# KiCad board EngineController.kicad_pcb (continued)
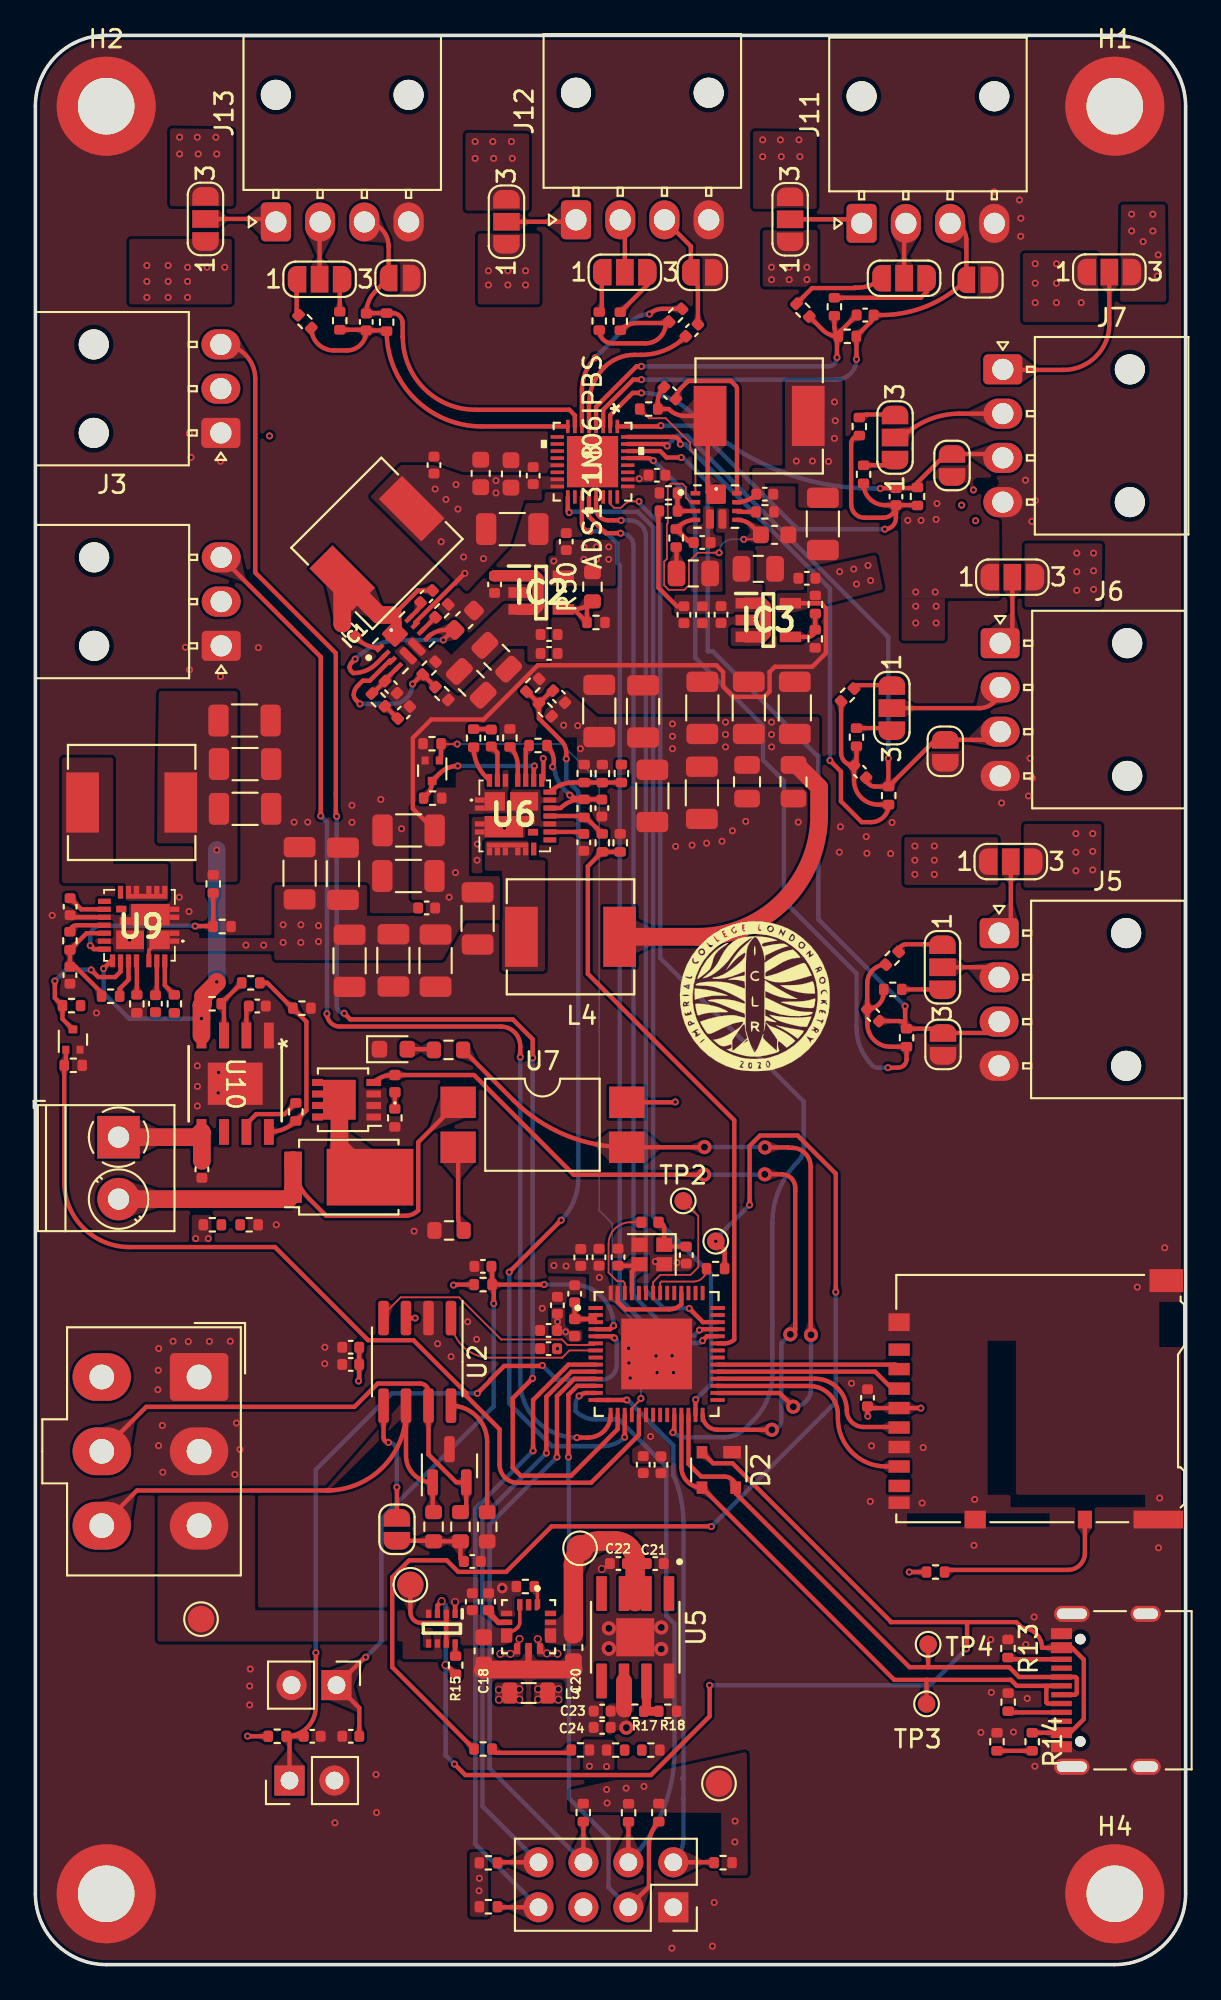
[diagram p0: board, top side]
## Routing (per net, layer and track width the routed paths; a pad name or vN(x,y) marks a point on that pad's centre or on a via; arc(x,y) is an arc through that point) (continued)
/pressure_sensor/AIN1N: length 37.3
  Top w0.25: R35.2 47.44,66.56 arc(47.09,66.71) C50.2 ; R35.2 50.86,69.2 JP6.2 54.06,69.2 J6.3 ; R35.2 arc(48.21,66.57) 48.2,66.58 v1(48.2,68.15) ; U8.31 35.68,85.92 arc(35.73,85.9) 35.75,85.85
  Bottom w0.25: v1(48.2,68.15) 48.2,75.01 36.83,86.38 36.25,86.38 35.75,85.88 35.75,85.85
  vias: v1(35.7,85.8)
/pressure_sensor/AIN1P: length 39.9
  Top w0.25: C50.1 46.26,66.91 arc(46.66,65.94) 47.63,65.54 R35.1 arc(47.93,64.84) 47.23,64.55 46.7,64.55 45.52,65.73 45.52,67.41 v1(44.9,68.03) ; C50.1 arc(45.74,67.95) 45.53,68.47 R34.2 ; C50.1 arc(46.36,67.78) 46.4,67.88 R33.2 ; U8.32 36.03,86.32 arc(36.33,86.19) v1(36.45,85.9)
  Bottom w0.25: v1(36.45,85.9) 36.74,85.9 44.9,77.74 v1(44.9,68.03)
/pressure_sensor/AIN2N: length 25.9
  Top w0.25: U8.2 32.49,87.54 33.75,88.8 v1(34.25,88.8) ; v1(47.75,83.4) arc(47.77,83.41) 47.8,83.42 C51.2 49.81,83.42 arc(49.84,83.43) R38.2 49.85,83.74 51.46,85.35 JP9.2 54.45,85.35 arc(54.61,85.29) J7.3
  Bottom w0.25: v1(34.25,88.8) 34.25,88.8 arc(35.82,88.49) 37.15,87.6 arc(41.8,84.49) 47.29,83.4 v1(47.75,83.4)
/pressure_sensor/AIN2P: length 30.6
  Top w0.25: U8.1 35.31,86.91 arc(35.34,86.92) v1(35.35,86.95) ; C51.1 49.83,82.46 arc(49.84,82.45) R38.1 ; C51.1 48.63,81.73 arc(48.45,81.28) v1(48,81.1) ; C51.1 48.01,82.46 arc(47.16,82.82) 46.8,83.67 R37.2 ; C51.1 arc(48.42,81.96) 47.92,81.75 46.85,81.75 arc(46.32,81.97) 46.1,82.5 46.1,85.93 arc(46.23,86.26) R36.2
  Bottom w0.25: v1(35.35,86.95) 37.22,86.95 43.07,81.1 v1(48,81.1)
/pressure_sensor/AIN3N: length 29
  Top w0.25: v1(46.4,90.7) 46.4,91.99 arc(46.4,92) R41.2 47.22,92.82 arc(47.33,93) C53.2 47.8,93.2 arc(50.4,93.72) JP12.2 52.61,97.46 arc(52.34,98.11) J11.3 ; U8.3 32.09,87.85 33.78,89.55 v1(34.25,89.55)
  Bottom w0.25: v1(34.25,89.55) 45.25,89.55 arc(46.06,89.89) v1(46.4,90.7)
/pressure_sensor/AIN3P: length 22.1
  Top w0.25: U8.4 31.69,88.02 33.97,90.3 v1(34.25,90.3) ; R40.2 44.48,92.37 arc(44.89,92.09) R41.1 ; v1(45.3,90.8) 45.3,91.93 arc(45.32,91.98) R41.1 ; R39.2 45.15,92.53 arc(45.21,92.24) R41.1 ; C53.1 45.48,92.27 arc(45.4,92.15) R41.1
  Bottom w0.25: v1(34.25,90.3) 44.8,90.3 arc(45.15,90.45) v1(45.3,90.8)
/pressure_sensor/AIN4N: length 16.6
  Top w0.25: U8.6 30.88,88.95 arc(31.08,89.95) v1(31.65,90.8) ; R44.2 35.43,93.55 arc(35.03,93.47) v1(34.7,93.25) ; C54.2 37.44,94.64 arc(37.34,95.17) JP15.2 37.04,97.09 J12.3
  Bottom w0.25: v1(31.65,90.8) 33.68,92.83 arc(34.15,93.14) v1(34.7,93.25)
/pressure_sensor/AIN4P: length 16.5
  Top w0.25: 31.86,92.22 R43.2 arc(32.08,91.82) 32.61,91.6 34.48,91.6 arc(35.29,91.94) 35.63,92.75 ; U8.5 31.28,88.16 arc(31.51,89.29) 32.15,90.25 arc(32.93,90.77) 33.84,90.95 34.22,90.95 arc(35.6,91.22) C54.1 ; 35.63,92.75 34.04,92.75 arc(33.5,92.64) R42.2 ; 35.63,92.75 arc(35.73,92.77) R44.1
/pressure_sensor/AIN5N: length 22.4
  Top w0.25: U8.7 30.48,87.54 30.17,87.85 24.87,87.85 arc(21.97,89.05) 20.77,91.95 20.75,91.95 20.75,92.75 arc(20.59,93.15) 20.19,93.31 R54.2 18.72,93.31 arc(18.71,93.3) C55.2 arc(18.84,93.97) 19.22,94.55 JP18.2 19.96,97.09 arc(19.56,98.06) J13.3
/pressure_sensor/AIN5P: length 20.5
  Top w0.25: R52.2 18.66,92.37 arc(18.69,92.36) C55.1 ; C55.1 19.81,92.33 arc(19.84,92.32) R54.1 arc(21.43,88.48) 25.23,86.91 U8.8 ; C55.1 18.7,92.3 arc(18.38,91.52) 17.6,91.2 16.86,91.2 arc(15.96,91.57) R53.2
/Pyro/BOOT: length 2
  Top w0.25: U9.23 6.86,54.85 C91.1
/Pyro/BUCKP_EN: length 51.3
  Top w0.25: Q3.1 1.72,50.9 arc(1.69,50.84) R72.2 1.63,44.23 arc(2.71,41.62) 5.32,40.54 13.54,40.54 18.8,35.28 21.36,35.28 24.35,32.29 24.35,32.13 26.23,30.25 26.23,28.25 arc(26.53,27.53) 27.26,27.23 31.4,27.23 34.1,29.93 34.1,31.06
/Pyro/Cont1: length 40.9
  Top w0.25: R68.1 27.02,48.83 arc(29.96,46.87) U7.15 37.79,46.18 arc(37.8,46.18) v4(37.81,46.19) ; 38.56,32.29 42.06,32.29 v4(42.83,31.52) ; v4(41.23,46.17) 42.54,46.17 arc(42.57,46.16) 42.59,46.15 42.75,46.15 arc(43.5,45.84) 43.81,45.09 43.81,35.6 arc(43.82,35.59) v4(43.83,35.58)
  Bottom w0.25: v4(37.81,46.19) 41.18,46.19 arc(41.21,46.18) v4(41.23,46.17) ; v4(43.83,35.58) 43.83,32.52 arc(43.54,31.81) v4(42.83,31.52)
/Pyro/EFuse_In: length 19
  Top w0.25: U9.18 4.29,56.71 v1(3.85,56.28)
  Top w1: v1(10.25,55.53) 10.25,55.47 9.48,54.7 R76.2 9.38,54.2 v1(9.38,53.45) U10.4
  Bottom w0.25: v1(3.85,56.28) 3.85,54.9 5.3,53.45 v1(9.38,53.45)
  Bottom w1: v1(10.25,55.53) v1(10.25,62.98)
/Pyro/EN: length 8
  Top w0.25: 4.81,56.71 4.81,56.1 4.51,55.8 3.55,55.8 v1(3.15,56.2) ; Q3.3 1.53,53.43 1.53,54.18 1.1,54.62 v1(1.1,55.58)
  Bottom w0.25: v1(3.15,56.2) 1.72,56.2 v1(1.1,55.58)
/Pyro/FB: length 10.6
  Top w0.25: 3.9,57.38 3.3,57.38 v1(3.1,57.58) ; v1(9.02,58.67) 10.01,58.67 arc(10.03,58.67) R67.2 arc(10.05,58.65) 10.05,58.66 R58.1
  Bottom w0.25: v1(3.1,57.58) 3.1,58.1 arc(3.28,58.52) 3.7,58.7 9,58.7 arc(9.02,58.69) v1(9.02,58.67)
/Pyro/Nuke 1: length 45.4
  Top w0.25: v4(41.62,30.22) 38.54,30.22 arc(37.95,30.46) 37.7,31.06 ; v4(41.22,44.65) 42.19,44.65 arc(42.72,44.43) 42.94,43.9 42.94,35.89 arc(42.86,35.69) v4(42.66,35.61) ; v4(37.79,44.63) 30.42,44.63 24.79,50.26 Firing1.2 20.13,50.26 arc(19.59,50.15) Q2.4
  Bottom w0.25: v4(42.66,35.61) 42.16,35.11 42.16,30.76 arc(42,30.38) v4(41.62,30.22) ; v4(37.79,44.63) 41.17,44.63 arc(41.2,44.64) v4(41.22,44.65)
/Pyro/PGOOD: length 2.2
  Top w0.25: 3.9,58.73 2.32,58.73 arc(2.06,58.62) R57.2
/Pyro/PHASE: length 2.1
  Top w0.25: 7.31,56.71 7.31,55.33 R69.1
/Pyro/PyroV: length 6.5
  Top w1: J10.1 9.09,46.75 U10.5 9.41,47.02 C93.2
/RXD: length 7.6
  Top w0.1: 34.91,37.95 34.91,38.56 35.32,38.97 37.03,38.97 37.46,39.4 37.46,42.3 TP2.1
/Servo1PWM: length 85
  Top w0.25: U1.16 32.91,30.26 30.27,27.62 27.42,27.62 26.97,28.08 26.97,32 v1(28.1,33.12) ; v1(28.1,51.23) 28.1,52.28 26.98,53.4 17.8,53.4 v1(17.45,53.75) ; v1(17.02,64.88) arc(16.99,64.89) 16.97,64.92 16.97,74.1 12.42,78.65 12.42,89.59 arc(11.86,90.97) J3.3
  Bottom w0.25: v1(28.1,51.23) v1(28.1,33.12) ; v1(17.02,64.88) 17.02,54.17 arc(17.15,53.87) v1(17.45,53.75)
/Servo2PWM: length 66.8
  Top w0.25: v1(30.6,29.78) 31.22,29.78 arc(32.13,30.15) U1.15 ; J4.3 16.12,73.89 v1(16.12,64.9) ; v1(27.4,51.28) 27.4,51.9 arc(27.08,52.68) 26.3,53 17.2,53 arc(16.69,53.21) v1(16.47,53.73)
  Bottom w0.25: v1(16.12,64.9) 16.48,64.55 16.48,53.73 arc(16.48,53.73) v1(16.47,53.73) ; v1(27.4,51.28) 27.4,32.98 arc(28.34,30.71) v1(30.6,29.78)
/ServoV_LOG: length 52.9
  Top w0.25: v1(29.71,42.06) v1(26.77,39.12) ; R28.1 27.78,71.92 R29.2 ; R28.1 29.18,71.98 C46.2 ; R28.1 28.45,70.41 29.71,69.15 arc(29.92,68.83) 30,68.45 v1(30,68.12) ; U1.17 33.3,29.81 v1(33.3,29.8)
  Bottom w0.25: v1(26.77,39.12) 26.77,31.71 29.18,29.3 32.08,29.3 arc(32.74,29.43) v1(33.3,29.8) ; v1(30,68.12) 30,66.95 30.68,66.27 30.68,44.4 arc(30.43,43.13) v1(29.71,42.06)
/TXD: length 68.2
  Top w0.25: v1(38.45,40.87) 38.95,40.37 R5.1 ; v1(38.2,24.75) 38.19,24.76 29.17,24.76 26.6,22.19 23.89,22.19 23.24,22.84 21.12,22.84 20.16,21.88 20.16,16.81 TXLED1.1 ; v1(45.23,38) 45.23,44.69 43.07,46.84 40.95,46.84 40.36,46.25 v1(40.36,42.92)
  Bottom w0.25: v1(40.36,42.92) 38.45,41.01 v1(38.45,40.87) ; v1(45.23,38) 45.23,31.78 v1(38.2,24.75)
Net-(C6-Pad1): length 3.5
  Top w0.25: C6.1 L1.2 ; L1.2 31.48,36.48 arc(31.61,36.42) U1.3 ; L1.2 31.44,36.48 arc(31.59,36.54) U1.2
Net-(C13-Pad1): length 2.8
  Top w0.25: C13.1 35.63,40.57 arc(35.56,40.6) Y1.1 35.53,41.62 arc(35.44,41.85) L2.2
Net-(C35-Pad2): length 1
  Top w0.25: R22.2 25.7,69.81 arc(25.74,69.8) C35.2
Net-(C58-Pad1): length 1
  Top w0.25: C58.1 19.81,71.07 arc(19.78,71.09) R45.2
Net-(C78-Pad1): length 1.5
  Top w0.25: C78.1 36.23,80.04 arc(36.22,80.07) R84.2
Net-(D4-K): length 5.1
  Top w1: 18.91,44.49 17.18,46.22 Q2.5
Net-(D6-A): length 1.5
  Top w0.25: D6.2 22.42,51.72 arc(22.48,51.71) 22.52,51.68
Net-(Firing1-K): length 0.9
  Top w0.25: R65.1 20.31,49.27 arc(20.31,49.28) Firing1.1
Net-(IC1-BOOT): length 1.1
  Top w0.25: IC1.10 21.57,76.51 arc(21.71,76.72) C62.1
Net-(IC1-COMP): length 2.1
  Top w0.25: IC1.4 19.8,72.61 arc(19.77,72.57) C57.1 19.09,71.85 arc(19.06,71.82) R45.1
Net-(IC1-EN): length 11
  Top w0.25: v1(18.07,73.76) 17.85,73.54 arc(17.78,73.43) 17.75,73.3 arc(17.77,73.19) 17.83,73.1 17.96,72.97 arc(18.68,73.11) 19.29,73.52 IC1.2 ; v1(23.05,74.84) 23.57,75.36 arc(23.63,75.4) C56.1 23.19,75.41 arc(22.64,75.3) IC1.7
  Bottom w0.25: v1(23.05,74.84) 20.68,74.84 arc(19.27,74.56) v1(18.07,73.76)
Net-(IC1-ILIM): length 1.1
  Top w0.25: R48.2 21.83,75.35 arc(21.83,75.35) IC1.8
Net-(IC1-SW): length 10.7
  Top w0.25: C62.2 21.61,77.64 20.56,76.59 20.56,75.83 20.59,75.8 20.59,75.2 20.31,74.92 19.91,74.92
  Top w1: 20.14,76.25 19.42,76.25 L5.2 17.34,75.76 arc(17.34,75.76) R51.2
Net-(IC2-ADJ/NC): length 4.7
  Top w0.25: 30.43,76.57 R49.2 31.17,76.71 31.48,77.03 arc(30.98,76.69) 30.38,76.57 IC2.4 30.43,76.57
Net-(IC3-ADJ/NC): length 2.6
  Top w0.25: IC3.4 43.67,75.02 arc(43.95,75.13) R55.2 44.07,76.33 arc(44.07,76.33) R56.1
Net-(IC4-BOOT): length 10.2
  Top w0.25: IC4.10 39.65,89.03 arc(39.63,89.12) 39.58,89.2 39.3,89.47 36.88,89.47 36.44,89.03 arc(36.26,88.76) 36.2,88.45
Net-(IC4-COMP): length 2.5
  Top w0.25: IC4.4 arc(36.77,81.52) 36.32,81.22 R84.1 36.81,80.51 arc(36.99,80.39) C77.1
Net-(IC4-EN): length 17.5
  Top w0.1: IC4.2 37.02,82.63 36.75,82.9 36.75,83.48 36.56,83.67 35.89,83.67 35.73,83.51 35.73,81.43 35.69,81.39 35.69,79.43 35.53,79.27 35.53,77.93 35.79,77.68 36.67,77.68 36.93,77.93 36.93,79.27 37.43,79.77 v1(38.64,79.77) ; v1(40.03,80.53) 40.75,80.53 arc(40.93,80.6) C76.1
  Top w0.25: C76.1 40.51,81.27 arc(40.11,81.54) IC4.7
  Bottom w0.1: v1(40.03,80.53) 39.4,80.53 arc(38.86,80.31) v1(38.64,79.77)
Net-(IC4-ILIM): length 1.1
  Top w0.25: R87.2 39.76,82.08 arc(39.7,82.09) IC4.8
Net-(IC4-SW): length 9.4
  Top w0.25: 38.47,82.9 38.28,82.9 37.99,83.18 37.99,87.37 L6.2 36.73,87.5 arc(36.22,87.6) 35.79,87.89 R88.2 35.17,88.28 arc(35.26,88.74) C80.2
Net-(J2-CC1): length 3.1
  Top w0.25: J2.A5 55.04,14.25 arc(54.99,14.27) R12.1
Net-(J2-CC2): length 3.1
  Top w0.25: J2.B5 55.06,17.25 arc(54.99,17.28) R13.2
Net-(J10-Pin_2): length 28
  Top w0.25: U7.1 21.63,46.47 21.63,42.62 arc(21.3,42.39) 20.9,42.31 16.43,42.31 15.47,43.27 arc(14.8,44.28) D4.2
  Top w1: D4.2 D4.1 14.29,43.25 J10.2
Net-(JP1-B): length 4.9
  Top w0.25: JP1.2 22.47,23.95 arc(22.49,23.94) R11.1 R10.2 24.02,22.97 arc(24.08,22.83) C16.1
Net-(JP2-A): length 2.7
  Top w0.25: JP2.1 49.21,57.65 arc(48.91,57.52) R31.1
Net-(JP2-B): length 2.3
  Top w0.25: R30.1 51.21,55.1 arc(51.25,55.09) JP2.3
Net-(JP2-C): length 3.5
  Top w0.25: JP2.2 53.89,56.35 arc(54.29,56.18) J5.2
Net-(JP4-C): length 4.4
  Top w0.25: JP4.2 55.12,58.94 arc(54.93,58.47) J5.1
Net-(JP5-A): length 2.3
  Top w0.25: JP5.1 46.45,72.29 arc(46.31,72.23) R34.1
Net-(JP5-B): length 2.1
  Top w0.25: R33.1 48.23,69.86 arc(48.35,69.81) JP5.3
Net-(JP5-C): length 6.8
  Top w0.25: JP5.2 53.35,70.99 arc(54.18,71.33) J6.2
Net-(JP7-C): length 4.1
  Top w0.25: JP7.2 55.21,75.35 arc(55.01,74.86) J6.1
Net-(JP8-A): length 1.9
  Top w0.25: R37.1 48.31,84.71 arc(48.5,84.79) JP8.1
Net-(JP8-B): length 2.1
  Top w0.25: JP8.3 46.97,87.58 arc(46.75,87.54) R36.1
Net-(JP8-C): length 6.5
  Top w0.25: J7.2 52.23,87.63 arc(50.46,87.28) 48.97,86.28 JP8.2
Net-(JP10-C): length 10.5
  Top w0.25: JP10.2 60.69,92.69 arc(59.93,90.86) 58.1,90.1 54.7,90.1 arc(54.68,90.11) J7.1
Net-(JP11-A): length 5.3
  Top w0.25: R40.1 43.89,94.72 46.3,94.72 46.3,94.75 46.51,94.75 arc(47.2,94.89) JP11.1
Net-(JP11-B): length 6.1
  Top w0.25: R39.1 50.04,94.18 50.39,94.53 JP11.3
Net-(JP11-C): length 3.2
  Top w0.25: JP11.2 49.09,98.28 arc(49.12,98.35) J11.2
Net-(JP13-C): length 4.1
  Top w0.25: JP13.2 46.46,98.61 J11.1
Net-(JP14-A): length 2.3
  Top w0.25: JP14.1 32.01,93.73 arc(31.97,93.54) R43.1
Net-(JP14-B): length 2.9
  Top w0.25: R42.1 34.61,94.92 JP14.3
Net-(JP14-C): length 3.1
  Top w0.25: JP14.2 33.31,98.32 J12.2
Net-(JP16-C): length 4
  Top w0.25: JP16.2 30.44,98.47 arc(30.52,98.5) J12.1
Net-(JP17-A): length 2.1
  Top w0.25: JP17.1 14.76,93.45 arc(14.79,93.31) R53.1
Net-(JP17-B): length 1.9
  Top w0.25: R52.1 17.2,94.83 arc(17.24,95.04) 17.36,95.22
Net-(JP17-C): length 3.3
  Top w0.25: JP17.2 16.06,98.43 arc(16.07,98.45) J13.2
Net-(JP19-C): length 4.1
  Top w0.25: JP19.2 13.42,98.63 arc(13.54,98.58) J13.1
Net-(R70-Pad1): length 4.8
  Top w0.25: U7.2 23.89,42.23 arc(23.97,41.82) R70.1
Net-(TXLED1-A): length 4.6
  Top w0.25: 25.81,12.18 26.02,11.97 30.12,11.97 R2.2
Net-(U1-U0TXD/PROG/GPIO43): length 3.6
  Top w0.1: 35.3,37.95 35.3,38.52 35.38,38.59 37.2,38.59 arc(37.71,38.81) R5.2
Net-(U1-XTAL_N): length 3.1
  Top w0.25: 33.7,37.95 33.7,39.14 Y1.3 arc(34.11,39.51) 34.05,39.49 C12.1
Net-(U1-XTAL_P): length 5.9
  Top w0.1: L2.1 33.62,41.94 arc(32.75,41.58) 32.39,40.71 32.39,39.1 32.87,38.62 33.2,38.62 33.3,38.51 33.3,37.95
Net-(U2-Rs): length 7.2
  Top w0.25: R9.1 25.53,29.53 arc(24.93,30.98) U2.8
Net-(U3-ST): length 0.8
  Top w0.25: 23.72,18.23 23.72,17.46 R15.2
Net-(U6-_MODE_1): length 2
  Top w0.25: U6.21 27.26,67.72 arc(27.14,68.3) R26.1
Net-(U6-MODE_2): length 2
  Top w0.25: R25.1 27.71,68.7 U6.20
Net-(U6-V_DRV): length 2
  Top w0.25: U6.12 30.88,64 C26.2
Net-(U9-_MODE_1): length 1.9
  Top w0.25: R74.1 5.73,56.69 U9.21
Net-(U9-MODE_2): length 2.2
  Top w0.25: R73.1 4.76,55.14 5.26,55.64 U9.20
Net-(U9-V_DRV): length 2.2
  Top w0.25: C70.2 2.59,59.62 3.9,59.62
Net-(U10-dVdt): length 1.7
  Top w0.25: C92.2 11.92,54.03 U10.2
Net-(U10-EN/UVLO): length 3.5
  Top w0.25: R77.2 10.5,54.31 R76.1 10.66,54.14 U10.3
Net-(U10-ILM): length 3.7
  Top w0.25: U10.7 11.92,47.5 12.48,48.05 14.08,48.05 R79.1
Net-(U10-OVLO/OVCSEL): length 11.1
  Top w0.25: 14.56,54.01 13.1,55.47 R77.1 ; U10.8 13.22,47.05 arc(14.03,47.21) R79.2 15.31,48.26 15.31,53.28 R78.1
Net-(USBLED1-A): length 2
  Top w0.25: R14.2 USBLED1.2

## Copper pours and planes (outline as drawn; the poured copper is in the pictures)
+3.3V on Top: 34.35,31.48 34.34,29.51 33.72,29.13 33.73,28.3 35.9,28.32 35.88,29.28 34.71,30.54 34.69,31.48 34.36,31.47
+3.3V on Top: 33.82,12.95 32.07,12.95 32.07,14.76 33.82,14.76
+3.3V on Top: 29.13,37.08 29.16,35.49 29.88,35.48 30.16,35.18 30.91,35.17 30.91,35.86 30.21,35.86 29.95,36.11 29.93,37.14 29.13,37.12
+3.3V on Top: 24.54,6.37 24.56,2.7 25.61,2.7 25.57,6.36
+3.3V on Top: 28.96,39.06 31.28,39.01 31.29,37.46 33.09,37.44 33.08,38.41 32.48,38.42 32.26,39.07 32.26,39.91 30.23,39.92 28.96,39.9
+3.3V on Top: 42.36,89.51 42.37,84.53 40.5,84.57 40.52,82.83 41.22,82.83 41.22,83.69 43.11,83.68 43.11,82.32 45.62,82.28 45.61,89.43 45.6,89.5
+3.3V on Top: 33.05,83.75 35.1,83.75 35.1,84.53 34.12,84.53 34.12,84.12 33.05,84.12
+3.3V on Top: 30.17,8.62 38.75,8.57 38.77,5.04 40.26,5.04 40.21,12.03 30.19,9.87 30.21,8.57
+3.3V on Top: 29.95,84.1 24.7,84.1 24.7,82.93 28.62,82.93 28.62,83.35 29.95,83.35
+3.3V on Top: 22.52,84.72 20.65,84.73 18.91,82.94 22.85,79.05 24.38,77.55 26.82,80.18 27.62,82.74 28.62,82.73 28.62,82.93 28.6,84.17 24.13,84.17
+3.3V on Top: 30.94,11.24 30.95,10.94 32.73,10.94 32.71,12.7 30.94,12.73
+3.3V on In2.Cu: -5.55,113.4 69.45,113.4 69.45,-1.6 -5.55,-1.6
+5V on Top: 54.45,83.85 54.5,77.2 48.95,77.2 48.9,83.85
+5V on Top: 54.4,61 54.4,63.7 49.1,63.7 49.1,61
+5V on Top: 29,77.9 32.8,77.9 32.8,80.5 29.4,80.5 29.4,79.6 29,79.6
+5V on Top: 48.95,77.2 48.95,74.8 51.4,74.8 51.4,77.2
+5V on Top: 60.1,92.8 60,96.7 55.8,96.7 55.8,92.8
+5V on Top: 5.3,93.8 5.3,97.5 11.1,97.5 11.1,93.8
+5V on Top: 41.1,98 41.1,94.8 44.2,94.8 44.2,98
+5V on Top: 25,93.8 25,97.8 28.5,97.8 28.5,93.8
+5V on Bottom: 32.9,77.8 32.9,80.6 28.5,80.6 28.63,93.92 48.98,94.17 49.05,61.95 49.05,61 51.35,61 51.4,96.45 5.3,96.7 5.3,93.8 25.5,93.8 25.5,77.8
+5V on Bottom: 51.4,96.45 60,96.7 60.1,92.8 51.4,92.9
+6V on Top: 30.02,72.03 31.75,70.5 31.8,69.33 28.45,69.35 28.45,70.55
+6V on Top: 31.01,67.3 33.7,67.3 33.7,66.7 44.3,66.7 44.3,70.5 30.6,70.5 30.6,67.3
+6V on Bottom: 44.3,70.5 44.3,66.7 33.7,66.7 33.7,67.3 30.6,67.3 17.17,67.23 17.2,75.58 8.55,75.62 8.55,78.3 12.82,78.3 12.67,87.75 8.65,87.75 8.65,90.3 16.62,90.3 16.72,81.83 30.6,70.5
+12V on Top: 40.55,103.6 40.55,99.2 44.15,99.2 44.15,103.55
+12V on Top: 41.9,77.5 41.9,76.4 42.9,76.4 47.9,77.7 47.5,79.65 43.6,78.8 43.6,77.5
+12V on Top: 24.3,103.5 24.3,99.1 27.9,99.1 27.9,103.45
+12V on Top: 7.6,103.75 7.6,99.35 11.2,99.35 11.2,103.7
+12V on Top: 20.23,56.74 23,56.75 24.25,59 26.25,59 26.25,61.5 24.5,61.5 24.5,65 26.75,65 26.75,67.5 23.75,67.5 23.75,66.5 22.5,66.5 22.5,65.5 21.25,65.5 21.25,59.25 18.75,59.25 18.75,61 13.5,61 13.5,58 9.25,58 9.25,58.5 6.25,58.5 6.25,57.25 13.5,57.25 13.5,56.75
+12V on Top: 61.3,95.6 61.3,93.95 63.9,93.95 63.85,99.45 61.35,99.45
+12V on Top: 60.3,80.3 55.9,80.3 55.9,76.7 60.25,76.7
+12V on Top: 60.25,64.45 55.85,64.45 55.85,60.85 60.2,60.85
+12V on Top: 8.83,40.77 9.97,40.76 9.94,42.36 8.84,42.37
+12V on Bottom: 44.6,78.8 44.6,76.75 46.65,77.15 48.95,78.15 58.4,78.15 58.55,61.05 63.9,61 63.85,105.8 7.6,105.7 7.6,101.25 59.4,101.3 59.35,80.9 44.55,80.8
+12V on Bottom: 1.75,31.25 5.75,31.25 5.75,36.75 24.5,53.75 24.5,62.5 11,62.5 11,45.75 1.75,38
GND on Top: 27.46,21.11 26.96,20.73 26.96,19.67 26.33,19.69 25.94,20.19 25.3,20.18 25.3,21.69 27.46,21.69
GND on Top, Bottom, In1.Cu: -5.55,113.4 69.45,113.4 69.45,-1.6 -5.55,-1.6
/Boosts/LDO5.5V_IN on Top: 20.82,74.69 22.6,73 23.9,71.8 26.7,74.5 27.8,74.5 27.8,73.6 29,73.6 29,76.9 26.5,76.9 23.5,74 22.8,74.7 22.3,74.2 21.3,75.1
/Boosts/LDO12V_IN on Top: 38.5,82.3 38.45,80.9 38.95,80.9 39,77.4 36.1,77.4 36.1,76.3 39.3,76.3 39.3,74.5 41,74.5 41.1,78 40.6,78 40.6,79.9 39.7,79.9 39.7,81.2 39.2,81.2 39.2,82.3
/buckC/SW on Top: 25.4,63.5 27.9,63.5 27.9,62.4 28.81,62.4 28.8,56.12 26.36,56.12 26.37,61.8 25.4,61.8
/Power/BBIN on Top: 25.65,19.59 26.21,19.01 26.32,19 26.7,18.65 26.88,18.2 26.42,18.03 24.05,18.03 24.05,18.11 23.15,18.11 23.15,20.31 25.65,20.31
/Power/BBOUT on Top: 30.95,19.84 30.95,19.45 30.96,18 29.97,18 28.76,18.2 28.79,19.5 29.45,19.5 29.84,19.84
/Power/LX1 on Top: 27.57,14.75 25.97,14.75 25.97,15.95 27.57,15.95
/Power/LX1 on Top: 27.59,18.4 27.4,18.1 27.4,17.38 26.22,17.38 26.22,17.78 27.04,17.78 27.04,18.06 27.15,18.3 27.15,18.6 27.58,18.61
/Power/LX1 on Bottom: 27.56,15.36 27.56,14.75 25.97,14.75 25.97,17.79 27.15,17.79 27.15,18.61 27.56,18.61
/Power/LX2 on Top: 28.61,18.38 28.63,18.23 28.64,18.17 28.87,17.78 29.52,17.78 29.52,17.38 28.34,17.38 28.34,17.78 28.34,17.78 28.34,18.17 28.18,18.29 28.18,18.61 28.54,18.61
/Power/LX2 on Top: 29.78,14.75 28.18,14.75 28.18,15.95 29.78,15.95
/Power/LX2 on Bottom: 28.59,17.79 29.78,17.79 29.78,14.75 28.18,14.75 28.18,15.47 28.18,18.61 28.59,18.61
/Pyro/EFuse_In on Top: 6.9,67.6 6.88,63.35 9.07,63.35 9.07,61.15 10.7,61.17 11.42,61.17 11.42,71.95 6.97,71.95 6.9,67.58
/Pyro/SW on Top: 7.5,60.1 7.5,62.2 4.4,62.2 4.4,68.2 1.5,68.2 1.5,61.1 5,61.1 5,60.1
RBUS_uC_V on Top: 6.9,27.02 6.9,18.25 20.75,18.25 20.75,17.25 23,17.25 23,18.75 22.5,18.75 22.5,17.75 21.75,17.75 21.75,20.02 12.42,20.02 12.42,27.02

Small or netless copper shapes (teardrops, artwork), in the pictures only: 460 on Top, 94 on Bottom

## Text on the board
B.Silkscreen: Designed By Soham More / Electronics 2024 | STARK V1.1
